# Altium PCB STB_ValidationBoard.PcbDoc (part 2 of 4) (continued)
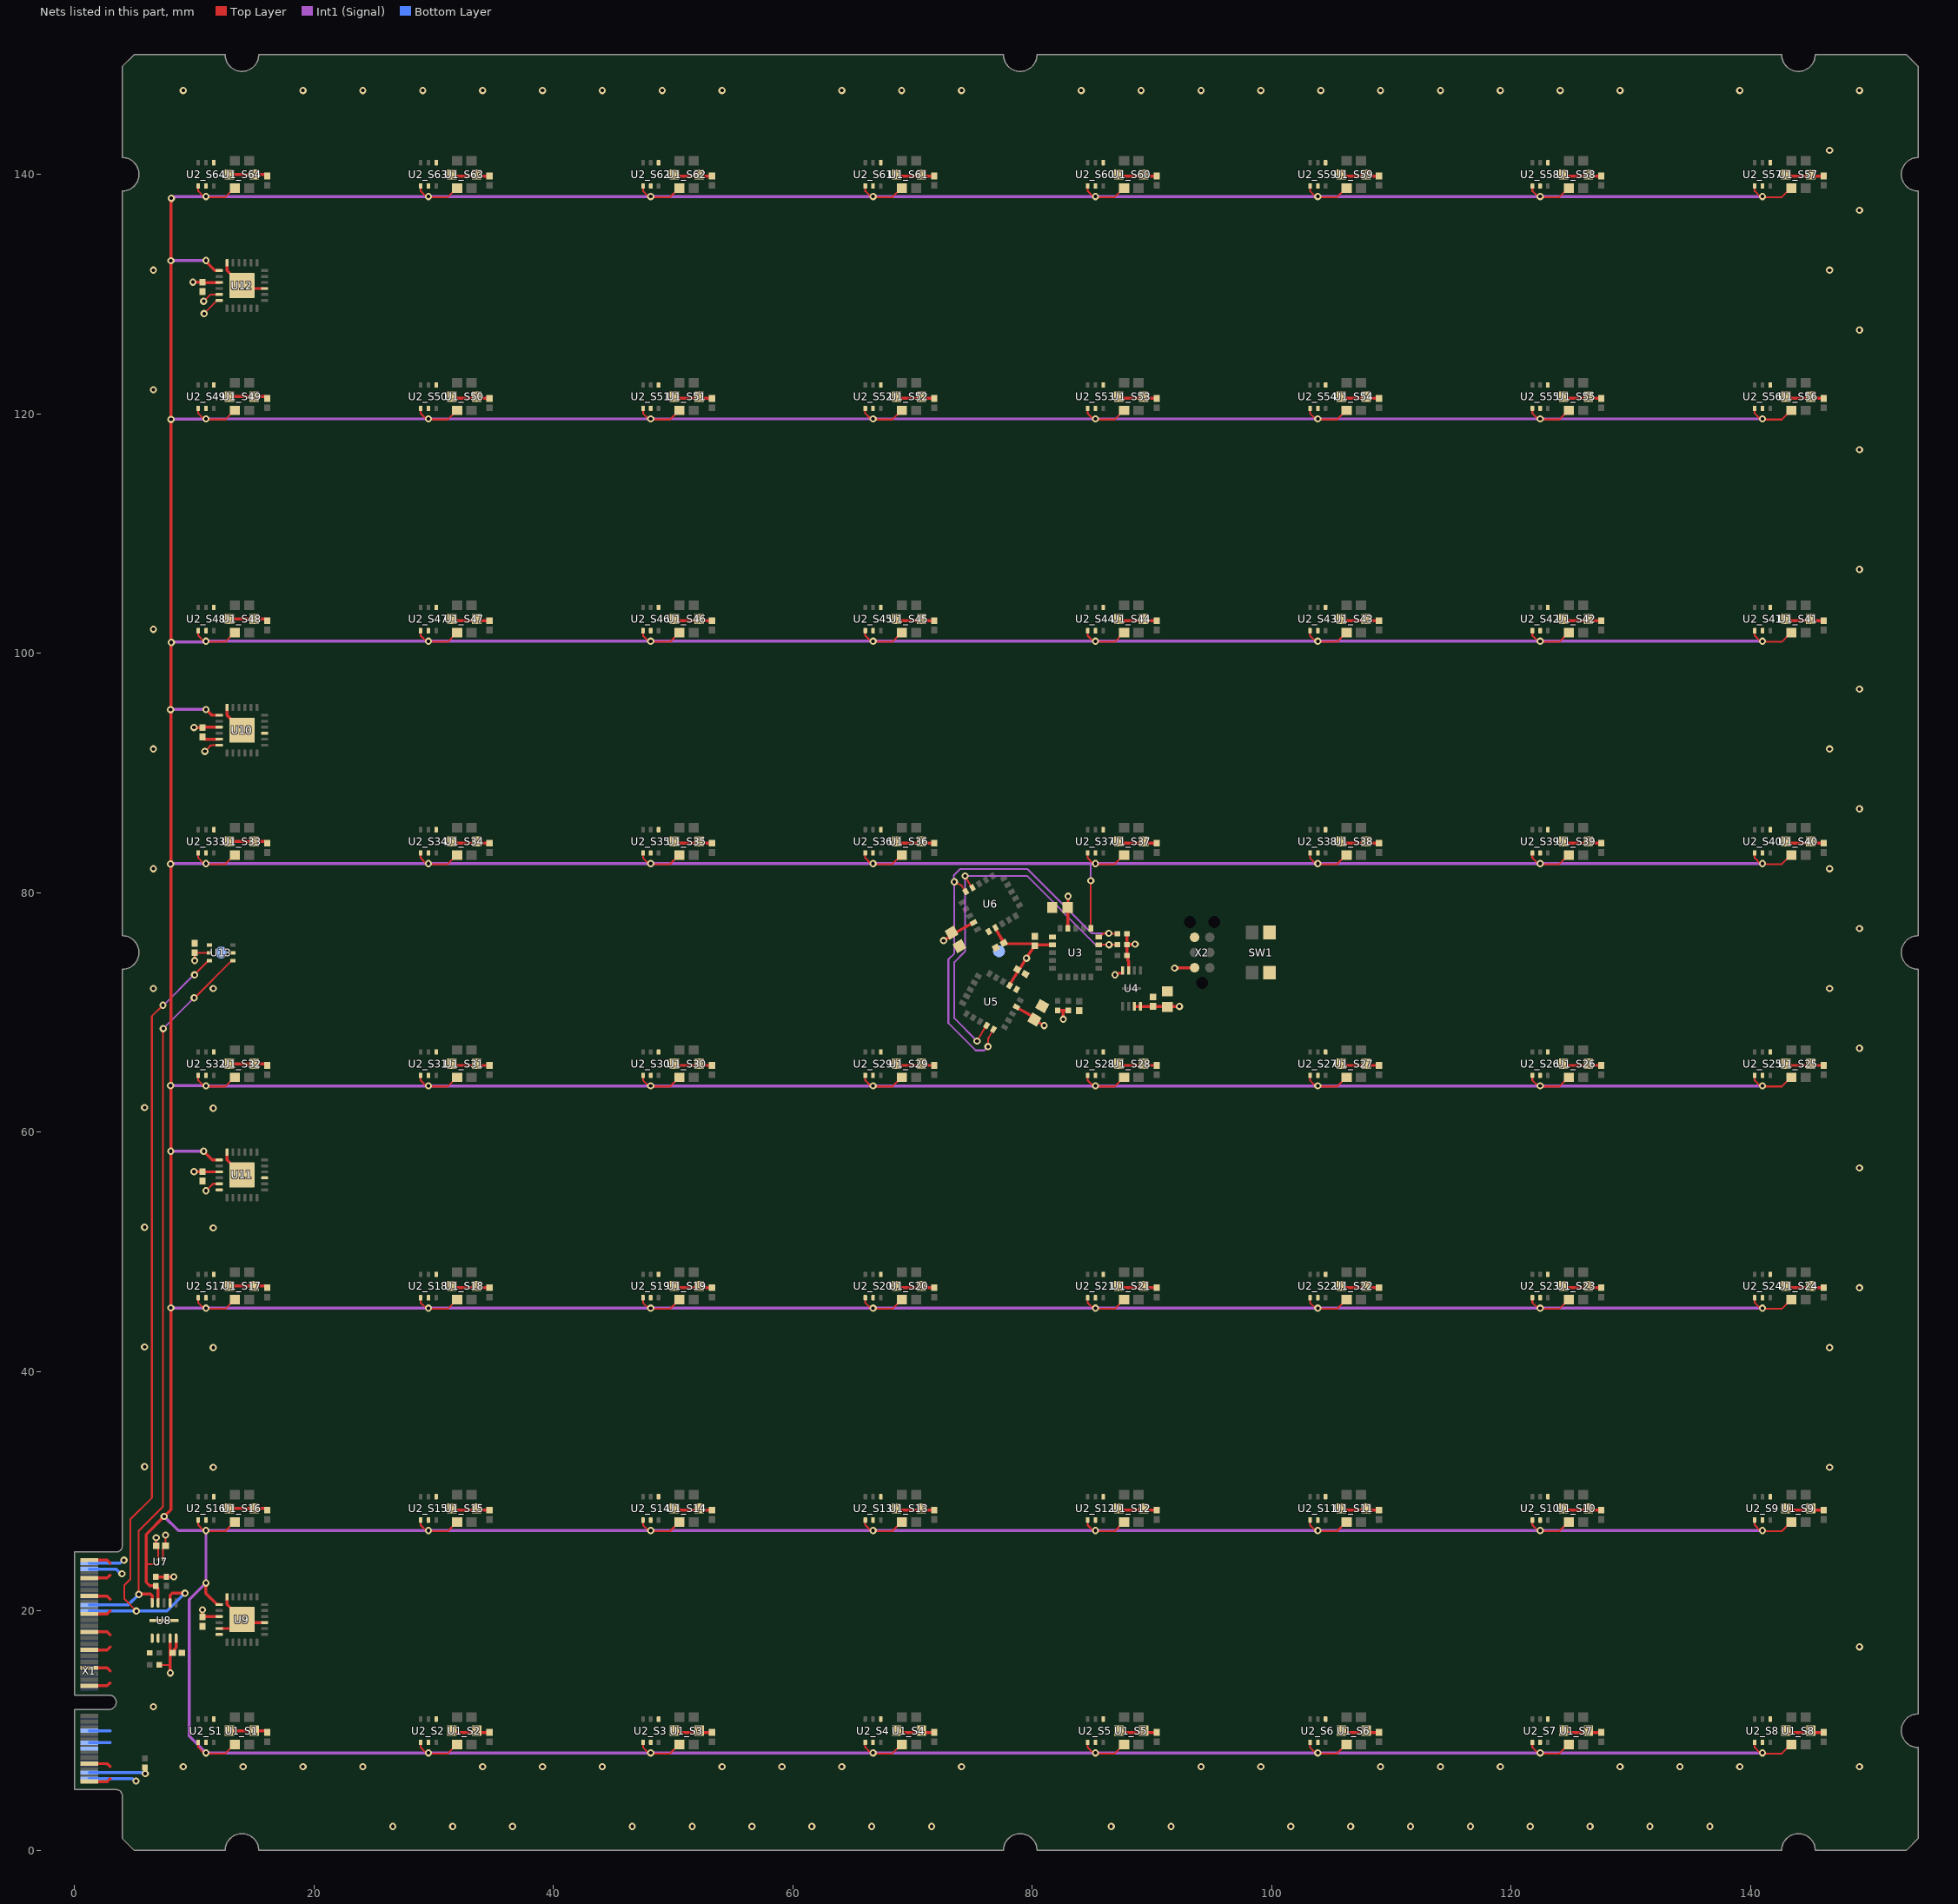
[diagram p4: the nets of this part, all layers, seen from the top]
## Part data (continued)
U4: library part CMP-0467-00001-2, "4 M-Bit [x1 / x2] CMOS Serial Flash, 86 MHz, -0.7 to 3.6 V, -40 to 85 degC, Body  2 x 3 x 0.6 mm", Clock Frequency-Max (fCLK)=86MHz, Frequency(MHz)=86, Manufacturer=Macronix, Max Operating Temperature=85°C, Max Supply Current=20uA, Min Operating Temperature=-40°C, Operating Current(mA)=12, Operating Mode=SYNCHRONOUS, Operationg Tempertaure Range="-40 to 85 degC", Package Body Material=Plastic, Package Code=HVSON, Package Shape=Rectangular, Package Style="SMALL OUTLINE, HEAT SINK/SLUG, VERY THIN PROFILEMeter", Power Supplies=3/3.3V, Programming Voltage=2.7V, Standby Current(uA)=10, Standby Current-Max=10uA, Supplier Part Number 1=1092-1154-1-ND, Supply Voltage-Max (Vsup)=3.6V, Supply Voltage-Nom (Vsup)=3V, Temperature Grade=INDUSTRIAL, Alternate Memory Width=1, Bus Width="x1, x2", Category=Flash, ComponentLink1Description="Manufacturer URL", ComponentLink1URL=http://www.macronix.com, ComponentLink2Description=Datasheet, ComponentLink2URL=http://www.macronix.com/QuickPlace/hq/PageLibrary4825740B00298A3B.nsf/h_Index/3F21BAC2E121E17848257639003A3146/$File/MX25L4006E,%203V,%204Mb,%20v1.3.pdf, ComponentLink3Description="Package Specification", ComponentLink3URL=http://www.macronix.com/QuickPlace/hq/PageLibrary4825740B00298A3B.nsf/h_Index/3F21BAC2E121E17848257639003A3146/$File/MX25L4006E,%203V,%204Mb,%20v1.3.pdf, ComponentLink4Description=https://datasheet.ciiva.com:443/pdfs/VipMasterIC/IC/MXMA/MXMA-S-A0007770252/MXMA-S-A0007770252-1.pdf?src-supplier=IHS+Markit, ComponentLink4URL=https://datasheet.ciiva.com:443/pdfs/VipMasterIC/IC/MXMA/MXMA-S-A0007770252/MXMA-S-A0007770252-1.pdf?src-supplier=IHS+Markit, ComponentLink5Description=http://www.macronix.com/Lists/Datasheet/Attachments/5087/MX25L4006E,%203V,%204Mb,%20v1.6.pdf?src-supplier=Digi-Key, ComponentLink5URL=http://www.macronix.com/Lists/Datasheet/Attachments/5087/MX25L4006E,%203V,%204Mb,%20v1.6.pdf?src-supplier=Digi-Key, ComponentLink6Description=http://ckassoc.com/oldsite/pdf/Macronix_Product_Line_Card_July_2017_General%20_070617.pdf?src-supplier=Digi-Key, ComponentLink6URL=http://ckassoc.com/oldsite/pdf/Macronix_Product_Line_Card_July_2017_General%20_070617.pdf?src-supplier=Digi-Key, ComponentLink7Description=http://www.macronix.com/Lists/Datasheet/Attachments/7604/MX25L4006E,%203V,%204Mb,%20v1.7.pdf?src-supplier=Digi-Key, ComponentLink7URL=http://www.macronix.com/Lists/Datasheet/Attachments/7604/MX25L4006E,%203V,%204Mb,%20v1.7.pdf?src-supplier=Digi-Key, ComponentLink8Description=http://www.macronix.com/QuickPlace/hq/PageLibrary4825740B00298A3B.nsf/h_Index/3F21BAC2E121E17848257639003A3146/$File/MX25L4006E,%203V,%204Mb,%20v1.4.pdf?src-supplier=Future+Electronics, ComponentLink8URL=http://www.macronix.com/QuickPlace/hq/PageLibrary4825740B00298A3B.nsf/h_Index/3F21BAC2E121E17848257639003A3146/$File/MX25L4006E,%203V,%204Mb,%20v1.4.pdf?src-supplier=Future+Electronics, Data Retention Time-Min=20, DatasheetVersion="Rev. 1.3", Density="4 Mb", Endurance=100000Cycles, Height - Seated (Max)=0.6mm, JESD-30 Code=R-PDSO-N8, JESD-609 Code=e3, Length=3mm, Manufacturer Part Number=MX25L4006EZUI-12G, Memory Type=FLASH, Memory Width=2, Moisture Sensitivity Level=3, Mounting Technology="Surface Mount", Number of Functions=1, Number of Pins=8, Number of Words=2097152, Number of Words Code=2M, Organization=2MX2, PackageDescription="8-Pin Small Outline No-lead Package, Body 2 x 3mm, Pitch 0.5 mm", PackageReference=USON-8, PackageVersion="Rev. 3", Parallel/Serial=SERIAL, PartNumber=MX25L4006EZUI-12G, Pricing 1="1=0.73000, 10=0.66700, 25=0.65880, 50=0.65480, 100=0.58540, 250=0.58048, 500=0.57188, 1000=0.55143, 5000=0.50226 (USD)", Qualification Status="Not Qualified", REACH SVHC="No SVHC", RoHS=Yes, RoHS Compliant=Yes, Sector Type="4 KB, 64 KB", Serial Bus Type=SPI, Stock 1=48100, Supplier 1=Digi-Key, Supply Voltage-Min (Vsup)=2.7V, Surface Mount=Yes, Technology=CMOS, Terminal Finish=Tin, Terminal Form="No Lead", Terminal Pitch=0.5mm, Terminal Position=DUAL, Type="NOR TYPE", Vin="-2.7 to 3.6 V", Width=2mm, Write Protection=HARDWARE/SOFTWARE
U5: library part CMP-22831-000003-1, "AS72653-BLGT LGA20 LF T&RDP", Case/Package=LGA, Manufacturer=ams, Supplier Part Number 1=AS72653-BLGTDKR-ND, Category="LED Drivers", ComponentLink1Description=https://ams.com/documents/20143/36005/AS7265x_DS000612_1-00.pdf?src-supplier=Digi-Key, ComponentLink1URL=https://ams.com/documents/20143/36005/AS7265x_DS000612_1-00.pdf?src-supplier=Digi-Key, Manufacturer Part Number=AS72653-BLGT, Mount="Surface Mount", Number of Pins=20, Packaging="Cut Tape", RoHS=No, Supplier 1=Digi-Key
U6: library part CMP-22831-000001-1, "AS72652-BLGT LGA20 LF T&RDP", Case/Package=LGA, Manufacturer=ams, Supplier Part Number 1=AS72652-BLGTDKR-ND, Category="LED Drivers", ComponentLink1Description=https://ams.com/documents/20143/36005/AS7265x_DS000612_1-00.pdf?src-supplier=Digi-Key, ComponentLink1URL=https://ams.com/documents/20143/36005/AS7265x_DS000612_1-00.pdf?src-supplier=Digi-Key, Manufacturer Part Number=AS72652-BLGT, Mount="Surface Mount", Number of Pins=20, Packaging="Cut Tape", RoHS=No, Supplier 1=Digi-Key
U7: library part CMP-02089-1, "Memory IC 64Kb (8K x 8) I²C 1 MHz 400 ns 4-WLCSP (0.77x0.77)", Clock Frequency="1 MHz", Manufacturer="ON Semiconductor", Mfr=onsemi, Operating Temperature="-40°C ~ 85°C (TA)", Package / Case="4-XFBGA, WLCSP", Supplier Device Package="4-WLCSP (0.77x0.77)", Supplier Part Number 1=488-N24S64BC4DYT3GDKR-ND, Voltage - Supply="1.7V ~ 5.5V", Access Time="400 ns", Base Product Number=N24S64, Category=EEPROM, Manufacturer Part Number=N24S64BC4DYT3G, Memory Format=EEPROM, Memory Interface=I²C, Memory Size="64Kb (8K x 8)", Memory Type=Non-Volatile, Mounting Type="Surface Mount", Product Status=Active, RoHS=Yes, Supplier 1=Digi-Key, Technology=-, Write Cycle Time - Word, Page=5ms
U8: library part CMP-02068-1, "Single I2C/SMBus Address Translator", Manufacturer="Analog Devices / Linear Technology", Max Operating Temperature=85°C, Max Supply Voltage=5.5V, Min Operating Temperature=-40°C, Min Supply Voltage=2.25V, Package Body Material=Plastic, Package Code=VSON, Package Shape=Square, Package Style="SMALL OUTLINE, VERY THIN PROFILEMeter", Supplier Part Number 1=505-LTC4316IDD#TRPBFDKR-ND, Supply Voltage-Nom=3.3V, Temperature Grade=INDUSTRIAL, Category="Interface ICs", ComponentLink1Description=https://datasheet.ciiva.com:443/pdfs/VipMasterIC/IC/LITC/LITC-S-A0001226702/LITC-S-A0001226702-1.pdf?src-supplier=IHS+Markit, ComponentLink1URL=https://datasheet.ciiva.com:443/pdfs/VipMasterIC/IC/LITC/LITC-S-A0001226702/LITC-S-A0001226702-1.pdf?src-supplier=IHS+Markit, ComponentLink2Description=http://www.linear.com/docs/46527?src-supplier=Digi-Key, ComponentLink2URL=http://www.linear.com/docs/46527?src-supplier=Digi-Key, Height - Seated (Max)=0.8mm, Interface IC Type="INTERFACE CIRCUIT", JESD-30 Code=S-PDSO-N10, Length=3mm, Manufacturer Part Number=LTC4316IDD#TRPBF, Number of Functions=1, Number of Pins=10, Pricing 1="1=5.70000, 10=5.12100, 25=4.84160, 100=4.19600, 250=3.98084, 500=3.57198, 1000=3.04500 (USD)", REACH SVHC=Yes, RoHS=Yes, RoHS Compliant=Yes, Stock 1=531, Supplier 1=Digi-Key, Surface Mount=Yes, Technology=CMOS, Terminal Form="No Lead", Terminal Pitch=0.5mm, Terminal Position=DUAL, Width=3mm
U9 U10 U11 U12: library part CMP-0314-00043-2, Manufacturer="NXP Semiconductors", Max Operating Temperature=85°C, Max Supply Voltage=5.5V, Min Operating Temperature=-40°C, Min Supply Voltage=1.65V, Package Body Material=Plastic, Package Code=VQCCN, Package Equivalence Code=LCC24,.16SQ,20, Package Shape=Square, Package Style="CHIP CARRIER, VERY THIN PROFILEMeter", Power Supplies=1.8/5V, Supplier Part Number 1=568-9942-1-ND, Supply Voltage-Nom=1.8V, Temperature Grade=INDUSTRIAL, Category="Interface ICs", ComponentLink1Description=https://datasheet.ciiva.com:443/pdfs/VipMasterIC/IC/PHGL/PHGL-S-A0001284358/PHGL-S-A0001284358-1.pdf?src-supplier=IHS+Markit, ComponentLink1URL=https://datasheet.ciiva.com:443/pdfs/VipMasterIC/IC/PHGL/PHGL-S-A0001284358/PHGL-S-A0001284358-1.pdf?src-supplier=IHS+Markit, ComponentLink2Description=https://datasheet.ciiva.com/12072/pca9555a-211666-12072629.pdf?src-supplier=Mouser, ComponentLink2URL=https://datasheet.ciiva.com/12072/pca9555a-211666-12072629.pdf?src-supplier=Mouser, ComponentLink3Description=https://datasheet.ciiva.com/6633/pca9555a-6633081.pdf?src-supplier=Digi-Key, ComponentLink3URL=https://datasheet.ciiva.com/6633/pca9555a-6633081.pdf?src-supplier=Digi-Key, ComponentLink4Description=https://datasheet.ciiva.com/6633/design-con-2003-tecforum-i2c-bus-overview-6633083.pdf?src-supplier=Digi-Key, ComponentLink4URL=https://datasheet.ciiva.com/6633/design-con-2003-tecforum-i2c-bus-overview-6633083.pdf?src-supplier=Digi-Key, ComponentLink5Description=https://datasheet.ciiva.com/6633/design-con-2003-tecforum-i2c-bus-overview-6633082.pdf?src-supplier=Digi-Key, ComponentLink5URL=https://datasheet.ciiva.com/6633/design-con-2003-tecforum-i2c-bus-overview-6633082.pdf?src-supplier=Digi-Key, ComponentLink6Description=https://datasheet.ciiva.com/46433/1845292-46433837.pdf?src-supplier=Element14, ComponentLink6URL=https://datasheet.ciiva.com/46433/1845292-46433837.pdf?src-supplier=Element14, Height - Seated (Max)=0.8mm, Length=4mm, Manufacturer Part Number=PCA9555AHF,128, Moisture Sensitivity Level=1, Number of Bits=16, Number of I/O Lines=16, Number of Pins=24, Number of Ports=2, Pricing 1="1=2.47000, 10=2.22300, 25=2.09680, 100=1.78650, 250=1.67748, 500=1.46780, 1000=1.32601 (USD)", Qualification Status="Not Qualified", REACH SVHC=Yes, RoHS=Yes, RoHS Compliant=Yes, Stock 1=565, Supplier 1=Digi-Key, Surface Mount=Yes, Technology=CMOS, Terminal Form="No Lead", Terminal Pitch=0.5mm, Terminal Position=QUAD, Width=4mm
X1: library part CMP-01224-1, "Mates with 2199119-4 - No BOM", Card Thickness=0.8mm, Card Type="Non Specified - Dual Edge", Gender=Male, Mates with=2199119-4, Number of Positions=67, Pitch=0.5mm
X2: library part CMP-00723-1, "CABLE, TAG CONNECT, WITH OUT LEG, FOR IC", Package Quantity=1, Lead Free="Lead Free", Number of Pins=6, Packaging=Bulk, REACH SVHC="No SVHC"

## Via types
v1: diameter 0.604, hole 0.3, Top Layer to Bottom Layer, tented both sides, 302 vias

## Nets (pads, with @x,y where several pads share a name; then routed paths per layer and width w, separated by ;. In a path a pad name is that pad's centre, name@x,y a point inside that pad or via, vN(x,y) a via of type N, cw(c..) or ccw(c..) an arc to the next point about the centre after c; other vN are vias at no path point)
3V3: C2.2 C3.2 C4.2 C5.2 C6.2 C7.2 C8.2 C9.2 C10.2 C11.2 C12.2 C13.2 C14.2 C15.2 C16.2 R1.2 R2.2 R3.2 R4.2 R5.2 R7.2 R8.2 R9.1 R11.2 U3.14 U3.17 U4.3 U4.7 U4.8 U5.14 U5.17 U6.14 U6.17 U7.A1 U8.4 U8.5 U9.21 U10.21 U10.24 U11.21 U11.23 U12.21 U12.23 U12.24 U13.5 X1.2 X1.4 X1.72 X1.74 X2.2 | length 68.7
  Top Layer w0.152: v1(6.839,26.127) 6.839,25.46 7,25.299 U7.A1@7,24.3 ; R9.1@7.1,15.5 7.995,15.5 8.013,15.518 ; C16.2@10.048,74.986 C16.2@10.057,74.978 ; v1(10.057,74.328) C16.2@10.057,74.978 ; v1(10.8,129.4) 11.364,129.964 U12.23@12.1,129.964 ; v1(10.842,128.364) 10.842,128.386 11.92,129.464 U12.24@12.1,129.464 ; v1(10.9,91.8) 11.421,92.321 U10.24@12.1,92.321 ; v1(11,55.1) 11.578,55.678 U11.23@12.1,55.678 ; U13.5@11.289,74.978 C16.2@10.057,74.978
  Top Layer w0.25: R11.2@5.9,6.925 5.912,6.913 5.912,6.419 v1(5.924,6.408) ; R7.2@6.8,22.85 v1(8.306,22.85) ; U8.4@8,17.725 8,16.225 8.013,16.212 8.013,15.518 v1(8.013,14.824) ; C11.2@8.28,16.415 8.365,16.5 8.365,16.815 8.5,16.95 U8.5@8.5,17.725 ; v1(9.9,131) 9.905,130.995 10.695,130.995 C13.2@10.7,130.99 10.835,130.964 U12.21@12.1,130.964 ; v1(10,56.7) 10.005,56.695 10.695,56.695 C14.2@10.7,56.69 10.835,56.678 U11.21@12.1,56.678 ; v1(10,93.8) 10.005,93.795 10.695,93.795 C15.2@10.7,93.79 10.835,93.821 U10.21@12.1,93.821 ; v1(10.7,20.1) C12.2@10.7,19.49 10.835,19.536 U9.21@12.1,19.536 ; v1(72.6,76) 73.112,76.296 C8.2@73.275,76.663 ; C8.2@73.289,76.455 73.368,76.5 73.651,76.661 74.974,77.425 U6.14@75.109,77.492 ; U6.17@76.937,77.075 76.986,76.93 77.573,75.913 C9.2@77.638,75.795 77.839,75.756 80.086,75.729 C3.2@80.221,75.574 ; U5.17@78.125,72.242 78.182,72.382 78.785,73.426 C7.2@78.838,73.521 ; U5.14@78.679,70.45 78.807,70.373 79.988,69.692 C6.2@80.083,69.637 ; C7.2@78.762,73.595 78.964,73.634 v1(79.525,74.527) 80.086,75.419 C3.2@80.221,75.574 ; C6.2@80.196,69.401 80.461,69.211 v1(81,68.9) ; U3.17@81.696,75.639 81.546,75.632 80.356,75.632 C3.2@80.221,75.574 ; R3.2@82.121,70.164 82.596,70.164 ; v1(82.596,69.431) 82.596,70.164 ; U3.14@82.971,77.014 C2.2@82.971,78.764 83,78.794 v1(83,79.7) ; R2.2@83.021,70.164 82.596,70.164 ; R1.2@87.921,74.764 87.977,74.708 87.977,74.34 88.06,74.257 88.06,73.745 88.05,73.735 U4.3@88.05,73.51 ; 87.921,75 R4.2@87.921,75.664 ; R5.2@87.921,76.564 R4.2@87.921,75.664 ; U4.7@88.55,70.5 U4.8@89.05,70.5 v1(92.3,70.5) ; v1(88.6,75.7) 88.582,75.682 87.938,75.682 R4.2@87.921,75.664 ; v1(91.9,73.7) 91.915,73.715 93.55,73.715 X2.2@93.565,73.73
  Bottom Layer w0.25: X1.2@1.25,6 4.856,6 5.055,5.801 v1(5.151,5.801) ; X1.72@1.25,23.5 1.254,23.496 3.499,23.496 3.884,23.111 v1(3.98,23.111) ; X1.74@1.25,24 1.256,24.006 3.812,24.006 4.05,24.243 v1(4.146,24.243) ; X1.4@1.264,6.514 5.721,6.514 5.828,6.408 v1(5.924,6.408)
GND: C1_S1.1 C1_S2.1 C1_S3.1 C1_S4.1 C1_S5.1 C1_S6.1 C1_S7.1 C1_S8.1 C1_S9.1 C1_S10.1 C1_S11.1 C1_S12.1 C1_S13.1 C1_S14.1 C1_S15.1 C1_S16.1 C1_S17.1 C1_S18.1 C1_S19.1 C1_S20.1 C1_S21.1 C1_S22.1 C1_S23.1 C1_S24.1 C1_S25.1 C1_S26.1 C1_S27.1 C1_S28.1 C1_S29.1 C1_S30.1 C1_S31.1 C1_S32.1 C1_S33.1 C1_S34.1 C1_S35.1 C1_S36.1 C1_S37.1 C1_S38.1 C1_S39.1 C1_S40.1 C1_S41.1 C1_S42.1 C1_S43.1 C1_S44.1 C1_S45.1 C1_S46.1 C1_S47.1 C1_S48.1 C1_S49.1 C1_S50.1 C1_S51.1 C1_S52.1 C1_S53.1 C1_S54.1 C1_S55.1 C1_S56.1 C1_S57.1 C1_S58.1 C1_S59.1 C1_S60.1 C1_S61.1 C1_S62.1 C1_S63.1 C1_S64.1 C2.1 C3.1 C4.1 C5.1 C6.1 C7.1 C8.1 C9.1 C10.1 C11.1 C12.1 C13.1 C14.1 C15.1 C16.1 C17.1 R10.1 SW1.2 SW1.4 U1_S1.1 U1_S1.4 U1_S2.1 U1_S2.4 U1_S3.1 U1_S3.4 U1_S4.1 U1_S4.4 U1_S5.1 U1_S5.4 U1_S6.1 U1_S6.4 U1_S7.1 U1_S7.4 U1_S8.1 U1_S8.4 U1_S9.1 U1_S9.4 U1_S10.1 U1_S10.4 U1_S11.1 U1_S11.4 U1_S12.1 U1_S12.4 U1_S13.1 U1_S13.4 U1_S14.1 U1_S14.4 U1_S15.1 U1_S15.4 U1_S16.1 U1_S16.4 U1_S17.1 U1_S17.4 U1_S18.1 U1_S18.4 U1_S19.1 U1_S19.4 U1_S20.1 U1_S20.4 U1_S21.1 U1_S21.4 U1_S22.1 U1_S22.4 U1_S23.1 U1_S23.4 U1_S24.1 U1_S24.4 U1_S25.1 U1_S25.4 U1_S26.1 U1_S26.4 U1_S27.1 U1_S27.4 U1_S28.1 U1_S28.4 U1_S29.1 U1_S29.4 U1_S30.1 U1_S30.4 U1_S31.1 U1_S31.4 U1_S32.1 U1_S32.4 U1_S33.1 U1_S33.4 U1_S34.1 U1_S34.4 U1_S35.1 U1_S35.4 U1_S36.1 U1_S36.4 U1_S37.1 U1_S37.4 U1_S38.1 U1_S38.4 U1_S39.1 U1_S39.4 U1_S40.1 U1_S40.4 U1_S41.1 U1_S41.4 U1_S42.1 U1_S42.4 U1_S43.1 U1_S43.4 U1_S44.1 U1_S44.4 U1_S45.1 U1_S45.4 U1_S46.1 U1_S46.4 U1_S47.1 U1_S47.4 U1_S48.1 U1_S48.4 U1_S49.1 U1_S49.4 U1_S50.1 U1_S50.4 U1_S51.1 U1_S51.4 U1_S52.1 U1_S52.4 U1_S53.1 U1_S53.4 U1_S54.1 U1_S54.4 U1_S55.1 U1_S55.4 U1_S56.1 U1_S56.4 U1_S57.1 U1_S57.4 U1_S58.1 U1_S58.4 U1_S59.1 U1_S59.4 U1_S60.1 U1_S60.4 U1_S61.1 U1_S61.4 U1_S62.1 U1_S62.4 U1_S63.1 U1_S63.4 U1_S64.1 U1_S64.4 U2_S1.2 U2_S1.4 U2_S2.2 U2_S2.4 U2_S3.2 U2_S3.4 U2_S4.2 U2_S4.4 U2_S5.2 U2_S5.4 U2_S6.2 U2_S6.4 U2_S7.2 U2_S7.4 U2_S8.2 U2_S8.4 U2_S9.2 U2_S9.4 U2_S10.2 U2_S10.4 U2_S11.2 U2_S11.4 U2_S12.2 U2_S12.4 U2_S13.2 U2_S13.4 U2_S14.2 U2_S14.4 U2_S15.2 U2_S15.4 U2_S16.2 U2_S16.4 U2_S17.2 U2_S17.4 U2_S18.2 U2_S18.4 U2_S19.2 U2_S19.4 U2_S20.2 U2_S20.4 U2_S21.2 U2_S21.4 U2_S22.2 U2_S22.4 U2_S23.2 U2_S23.4 U2_S24.2 U2_S24.4 U2_S25.2 U2_S25.4 U2_S26.2 U2_S26.4 U2_S27.2 U2_S27.4 U2_S28.2 U2_S28.4 U2_S29.2 U2_S29.4 U2_S30.2 U2_S30.4 U2_S31.2 U2_S31.4 U2_S32.2 U2_S32.4 U2_S33.2 U2_S33.4 U2_S34.2 U2_S34.4 U2_S35.2 U2_S35.4 U2_S36.2 U2_S36.4 U2_S37.2 U2_S37.4 U2_S38.2 U2_S38.4 U2_S39.2 U2_S39.4 U2_S40.2 U2_S40.4 U2_S41.2 U2_S41.4 U2_S42.2 U2_S42.4 U2_S43.2 U2_S43.4 U2_S44.2 U2_S44.4 U2_S45.2 U2_S45.4 U2_S46.2 U2_S46.4 U2_S47.2 U2_S47.4 U2_S48.2 U2_S48.4 U2_S49.2 U2_S49.4 U2_S50.2 U2_S50.4 U2_S51.2 U2_S51.4 U2_S52.2 U2_S52.4 U2_S53.2 U2_S53.4 U2_S54.2 U2_S54.4 U2_S55.2 U2_S55.4 U2_S56.2 U2_S56.4 U2_S57.2 U2_S57.4 U2_S58.2 U2_S58.4 U2_S59.2 U2_S59.4 U2_S60.2 U2_S60.4 U2_S61.2 U2_S61.4 U2_S62.2 U2_S62.4 U2_S63.2 U2_S63.4 U2_S64.2 U2_S64.4 U3.16 U4.4 U5.16 U6.16 U7.A2 U8.1 U8.2 U8.11 U9.9 U9.18 U9.23 U9.24 U9.25 U10.9 U10.18 U10.23 U10.25 U11.9 U11.18 U11.24 U11.25 U12.9 U12.18 U12.25 U13.2 U13.4 X1.1 X1.7 X1.14 X1.18 X1.33 X1.39 X1.45 X1.51 X1.57 X1.63 X1.69 X1.75 X2.6 | length 234.3
  Top Layer w0.152: U7.A2@7.4,24.3 7.4,25.248 7.438,25.287 C10.1@7.556,25.287 ; C10.1@7.626,25.454 v1(7.626,26.342)
  Top Layer w0.25: X1.1@1.25,5.75 2.75,5.75 3,6 ; X1.7@1.25,7.25 2.75,7.25 3,7 ; X1.33@1.25,13.75 2.75,13.75 3,14 ; X1.39@1.25,15.25 2.75,15.25 3,15 ; X1.45@1.25,16.75 2.75,16.75 3,17 ; X1.51@1.25,18.25 2.75,18.25 3,18 ; X1.57@1.25,19.75 2.75,19.75 3,20 ; X1.63@1.25,21.25 2.75,21.25 3,21 ; X1.69@1.25,22.75 2.75,22.75 3,23 ; X1.75@1.25,24.25 2.75,24.25 3,24 ; C15.1@10.725,92.989 10.725,92.965 10.869,92.821 U10.23@12.1,92.821 ; U9.23@12.1,18.536 14.051,18.536 U9.25@14.114,18.473 ; U9.18@12.75,21.186 12.75,20.536 U9.25@14,19.286 ; U11.18@12.75,58.328 12.75,57.678 U11.25@14,56.428 ; U10.18@12.75,95.471 12.75,94.821 U10.25@14,93.571 ; U12.18@12.75,132.614 12.75,131.964 13.402,131.312 U12.25@13.46,131.312 ; U1_S1.4@12.965,10 U1_S1.1@15.035,10 15.975,10 16.11,9.865 C1_S1.1@16.11,9.856 ; U1_S16.4@12.965,28.571 U1_S16.1@15.035,28.571 15.975,28.571 16.11,28.436 C1_S16.1@16.11,28.428 ; U1_S17.4@12.965,47.143 U1_S17.1@15.035,47.143 C1_S17.1@15.975,47.143 ; U1_S32.4@12.965,65.714 U1_S32.1@15.035,65.714 C1_S32.1@15.975,65.714 ; U1_S33.4@12.965,84.286 U1_S33.1@15.035,84.286 C1_S33.1@15.975,84.286 ; U1_S48.4@12.965,102.857 U1_S48.1@15.035,102.857 C1_S48.1@15.975,102.857 ; U1_S49.4@12.965,121.428 U1_S49.1@15.035,121.428 C1_S49.1@15.975,121.428 ; U1_S64.4@12.965,140 U1_S64.1@15.035,140 C1_S64.1@15.975,140 ; U9.25@13.727,19.053 13.744,19.036 U9.9@15.9,19.036 ; U12.25@14,130.714 14.25,130.464 U12.9@15.9,130.464 ; U1_S2.4@31.536,10 31.68,9.856 C1_S2.1@34.681,9.856 ; U1_S15.4@31.68,28.428 C1_S15.1@34.681,28.428 ; U1_S18.4@31.68,46.999 C1_S18.1@34.681,46.999 ; U1_S31.4@31.68,65.571 C1_S31.1@34.681,65.571 ; U1_S34.4@31.68,84.142 C1_S34.1@34.681,84.142 ; U1_S47.4@31.68,102.713 C1_S47.1@34.681,102.713 ; U1_S50.4@31.68,121.285 C1_S50.1@34.681,121.285 ; U1_S63.4@31.68,139.856 C1_S63.1@34.681,139.856 ; U1_S3.4@50.251,9.856 C1_S3.1@53.252,9.856 ; U1_S14.4@50.251,28.428 C1_S14.1@53.252,28.428 ; U1_S19.4@50.251,46.999 C1_S19.1@53.252,46.999 ; U1_S30.4@50.251,65.571 C1_S30.1@53.252,65.571 ; U1_S35.4@50.251,84.142 C1_S35.1@53.252,84.142 ; U1_S46.4@50.251,102.713 C1_S46.1@53.252,102.713 ; U1_S51.4@50.251,121.285 C1_S51.1@53.252,121.285 ; U1_S62.4@50.251,139.856 C1_S62.1@53.252,139.856 ; U1_S4.4@68.823,9.856 C1_S4.1@71.824,9.856 ; U1_S13.4@68.823,28.428 C1_S13.1@71.824,28.428 ; U1_S20.4@68.823,46.999 C1_S20.1@71.824,46.999 ; U1_S29.4@68.823,65.571 C1_S29.1@71.824,65.571 ; U1_S36.4@68.823,84.142 C1_S36.1@71.824,84.142 ; U1_S45.4@68.823,102.713 C1_S45.1@71.824,102.713 ; U1_S52.4@68.823,121.285 C1_S52.1@71.824,121.285 ; U1_S61.4@68.823,139.856 C1_S61.1@71.824,139.856 ; v1(86.916,73.139) 87.012,73.139 87.138,73.265 87.55,73.265 U4.4@87.55,73.5 ; U1_S5.4@87.394,9.856 C1_S5.1@90.395,9.856 ; U1_S12.4@87.394,28.428 C1_S12.1@90.395,28.428 ; U1_S21.4@87.394,46.999 C1_S21.1@90.395,46.999 ; U1_S28.4@87.394,65.571 C1_S28.1@90.395,65.571 ; U1_S37.4@87.394,84.142 C1_S37.1@90.395,84.142 ; U1_S44.4@87.394,102.713 C1_S44.1@90.395,102.713 ; U1_S53.4@87.394,121.285 C1_S53.1@90.395,121.285 ; U1_S60.4@87.394,139.856 C1_S60.1@90.395,139.856 ; U1_S6.4@105.966,9.856 C1_S6.1@108.967,9.856 ; U1_S11.4@105.966,28.428 C1_S11.1@108.967,28.428 ; U1_S22.4@105.966,46.999 C1_S22.1@108.967,46.999 ; U1_S27.4@105.966,65.571 C1_S27.1@108.967,65.571 ; U1_S38.4@105.966,84.142 C1_S38.1@108.967,84.142 ; U1_S43.4@105.966,102.713 C1_S43.1@108.967,102.713 ; U1_S54.4@105.966,121.285 C1_S54.1@108.967,121.285 ; U1_S59.4@105.966,139.856 C1_S59.1@108.967,139.856 ; U1_S7.4@124.537,9.856 C1_S7.1@127.538,9.856 ; U1_S10.4@124.537,28.428 C1_S10.1@127.538,28.428 ; U1_S23.4@124.537,46.999 C1_S23.1@127.538,46.999 ; U1_S26.4@124.537,65.571 C1_S26.1@127.538,65.571 ; U1_S39.4@124.537,84.142 C1_S39.1@127.538,84.142 ; U1_S42.4@124.537,102.713 C1_S42.1@127.538,102.713 ; U1_S55.4@124.537,121.285 C1_S55.1@127.538,121.285 ; U1_S58.4@124.537,139.856 C1_S58.1@127.538,139.856 ; U1_S8.4@143.108,9.856 C1_S8.1@146.109,9.856 ; U1_S9.4@143.108,28.428 C1_S9.1@146.109,28.428 ; U1_S24.4@143.108,46.999 C1_S24.1@146.109,46.999 ; U1_S25.4@143.108,65.571 C1_S25.1@146.109,65.571 ; U1_S40.4@143.108,84.142 C1_S40.1@146.109,84.142 ; U1_S41.4@143.108,102.713 C1_S41.1@146.109,102.713 ; U1_S56.4@143.108,121.285 C1_S56.1@146.109,121.285 ; U1_S57.4@143.108,139.856 C1_S57.1@146.109,139.856
  Bottom Layer w0.25: X1.14@1.25,9 3,9 ; X1.18@1.25,10 3,10
  other v1: 26.6,2 31.6,2 36.6,2 46.6,2 51.6,2 56.6,2 61.6,2 66.6,2 71.6,2 86.6,2 91.6,2 101.6,2 106.6,2 111.6,2 116.6,2 121.6,2 126.6,2 131.6,2 136.6,2 9.1,7 14.1,7 19.1,7 24.1,7 34.1,7 39.1,7 44.1,7 54.1,7 59.1,7 64.1,7 74.1,7 94.1,7 99.1,7 109.1,7 114.1,7 119.1,7 129.1,7 134.1,7 139.1,7 149.1,7 6.6,12 149.1,17 11.6,32 146.6,32 5.869,32.053 11.6,42 146.6,42 5.869,42.053 149.1,47 11.6,52 5.869,52.053 149.1,57 11.6,62 5.869,62.053 149.1,67 6.6,72 11.6,72 146.6,72 149.1,77 6.6,82 146.6,82 149.1,87 6.6,92 146.6,92 149.1,97 6.6,102 149.1,107 149.1,117 6.6,122 149.1,127 6.6,132 146.6,132 149.1,137 146.6,142 9.1,147 19.1,147 24.1,147 29.1,147 34.1,147 39.1,147 44.1,147 49.1,147 54.1,147 64.1,147 69.1,147 74.1,147 84.1,147 89.1,147 94.1,147 99.1,147 104.1,147 109.1,147 114.1,147 119.1,147 124.1,147 129.1,147 139.1,147 149.1,147
GPIO2: X1.12
HeatSpreader: TP1.1 TP2.1
I2C_HOST_SCL: U8.10 U13.1 X1.60 | length 62.7
  Top Layer w0.152: v1(5.387,21.387) 5.378,21.395 5.378,26.7 7.406,28.727 7.406,68.622 v1(7.427,68.643) ; v1(10.002,71.218) 10.054,71.218 13.164,74.328 U13.1@13.239,74.328
  Top Layer w0.25: v1@5.429,21.429 6.354,21.429 6.5,21.282 U8.10@6.5,20.675
  Int1 (Signal) w0.152: v1@7.279,68.484 7.279,68.494 v1(7.427,68.643) v1(10.002,71.218)
  Bottom Layer w0.25: X1.60@1.25,20.5 4.5,20.5 v1(5.387,21.387)
I2C_HOST_SDA: U8.7 U13.6 X1.58 | length 68.4
  Top Layer w0.152: v1(5.178,20) 4.169,21.01 4.169,22.14 4.668,22.639 4.668,27.641 6.478,29.451 6.478,31.802 6.478,69.681 v1(7.399,70.602) ; v1(10.04,73.127) 10.04,73.154 11.214,74.328 U13.6@11.289,74.328
  Top Layer w0.25: U8.7@8,20.675 8,21.304 8.182,21.487 v1(9.24,21.487)
  Int1 (Signal) w0.152: v1(7.399,70.602) 7.457,70.602 9.982,73.127 v1(10.04,73.127)
  Bottom Layer w0.25: X1.58@1.25,20 v1(5.178,20) 7.753,20 v1(9.24,21.487)
I2C_SPEC_SCL: R4.1 U3.9 U5.9 U6.9 | length 33.8
  Top Layer w0.152: v1(74.4,81.4) 74.883,80.564 U6.9@75.012,80.409 ; v1(75.4,67.6) 76.067,68.755 U5.9@76.2,68.908 ; U3.9@85.546,75.639 85.558,75.652 v1(86.421,75.652) 87.108,75.652 R4.1@87.121,75.664
  Top Layer w0.25: U5.9@76.1,68.793 U5.9@76.2,68.908
  Int1 (Signal) w0.152: v1(75.4,67.6) 73.5,69.5 73.5,74.2 74.4,75.1 v1(74.4,81.4) 79.558,81.4 85.306,75.652 v1(86.421,75.652)
I2C_SPEC_SDA: R5.1 U3.10 U5.10 U6.10 | length 37
  Top Layer w0.152: v1(73.5,80.9) 74.059,80.62 cw(c73.991,80.484) 74.123,80.561 ; 74.123,80.56 74.311,80.234 U6.10@74.449,80.084 ; v1(76.313,67.14) 76.321,67.768 cw(c76.473,67.766) 76.341,67.842 76.668,68.408 U5.10@76.763,68.583 U5.10@76.763,68.533 ; U3.10@85.546,76.289 85.67,76.413 85.773,76.413 85.952,76.592 v1@86.4,76.592 ; v1@86.402,76.564 R5.1@87.121,76.564
  Int1 (Signal) w0.152: v1(76.313,67.14) 75.998,66.826 75.274,66.826 73,69.1 73,74.427 73.5,74.927 v1(73.5,80.9) 73.463,80.937 73.463,81.463 73.98,81.98 79.593,81.98 84.973,76.6 v1(86.4,76.6)
I2C_SYS_SCL: R7.1 U1_S1.5 U1_S2.5 U1_S3.5 U1_S4.5 U1_S5.5 U1_S6.5 U1_S7.5 U1_S8.5 U1_S9.5 U1_S10.5 U1_S11.5 U1_S12.5 U1_S13.5 U1_S14.5 U1_S15.5 U1_S16.5 U1_S17.5 U1_S18.5 U1_S19.5 U1_S20.5 U1_S21.5 U1_S22.5 U1_S23.5 U1_S24.5 U1_S25.5 U1_S26.5 U1_S27.5 U1_S28.5 U1_S29.5 U1_S30.5 U1_S31.5 U1_S32.5 U1_S33.5 U1_S34.5 U1_S35.5 U1_S36.5 U1_S37.5 U1_S38.5 U1_S39.5 U1_S40.5 U1_S41.5 U1_S42.5 U1_S43.5 U1_S44.5 U1_S45.5 U1_S46.5 U1_S47.5 U1_S48.5 U1_S49.5 U1_S50.5 U1_S51.5 U1_S52.5 U1_S53.5 U1_S54.5 U1_S55.5 U1_S56.5 U1_S57.5 U1_S58.5 U1_S59.5 U1_S60.5 U1_S61.5 U1_S62.5 U1_S63.5 U1_S64.5 U2_S1.1 U2_S2.1 U2_S3.1 U2_S4.1 U2_S5.1 U2_S6.1 U2_S7.1 U2_S8.1 U2_S9.1 U2_S10.1 U2_S11.1 U2_S12.1 U2_S13.1 U2_S14.1 U2_S15.1 U2_S16.1 U2_S17.1 U2_S18.1 U2_S19.1 U2_S20.1 U2_S21.1 U2_S22.1 U2_S23.1 U2_S24.1 U2_S25.1 U2_S26.1 U2_S27.1 U2_S28.1 U2_S29.1 U2_S30.1 U2_S31.1 U2_S32.1 U2_S33.1 U2_S34.1 U2_S35.1 U2_S36.1 U2_S37.1 U2_S38.1 U2_S39.1 U2_S40.1 U2_S41.1 U2_S42.1 U2_S43.1 U2_S44.1 U2_S45.1 U2_S46.1 U2_S47.1 U2_S48.1 U2_S49.1 U2_S50.1 U2_S51.1 U2_S52.1 U2_S53.1 U2_S54.1 U2_S55.1 U2_S56.1 U2_S57.1 U2_S58.1 U2_S59.1 U2_S60.1 U2_S61.1 U2_S62.1 U2_S63.1 U2_S64.1 U3.11 U7.B1 U8.9 U9.19 U10.19 U11.19 U12.19 | length 1470.5
  Top Layer w0.152: 6,23.9 U7.B1@7,23.9 ; U2_S1.1@10.35,9.025 10.35,8.606 10.808,8.148 v1(11.001,8.148) 11.055,8.094 12.609,8.094 U1_S1.5@13.309,8.794 ; U2_S16.1@10.35,27.596 10.35,27.178 10.808,26.719 v1(11.001,26.719) 11.055,26.665 12.609,26.665 U1_S16.5@13.309,27.365 ; U2_S17.1@10.35,46.168 10.35,45.749 10.808,45.291 v1(11.001,45.291) 11.055,45.237 12.609,45.237 U1_S17.5@13.309,45.937 ; U2_S32.1@10.35,64.739 10.35,64.321 10.808,63.862 v1(11.001,63.862) 11.055,63.808 12.609,63.808 U1_S32.5@13.309,64.508 ; U2_S33.1@10.35,83.311 10.35,82.892 10.808,82.434 v1(11.001,82.434) 11.055,82.379 12.609,82.379 U1_S33.5@13.309,83.079 ; U2_S48.1@10.35,101.882 10.35,101.463 10.808,101.005 v1(11.001,101.005) 11.055,100.951 12.609,100.951 U1_S48.5@13.309,101.651 ; U2_S49.1@10.35,120.453 10.35,120.035 10.808,119.576 v1(11.001,119.576) 11.055,119.522 12.609,119.522 U1_S49.5@13.309,120.222 ; U2_S64.1@10.35,139.025 10.35,138.606 10.808,138.148 v1(11.001,138.148) 11.055,138.094 12.609,138.094 U1_S64.5@13.309,138.794 ; U2_S2.1@28.921,9.025 28.921,8.606 29.38,8.148 v1(29.572,8.148) 29.626,8.094 31.18,8.094 U1_S2.5@31.88,8.794 ; U2_S15.1@28.921,27.596 28.921,27.178 29.38,26.719 v1(29.572,26.719) 29.626,26.665 31.18,26.665 U1_S15.5@31.88,27.365 ; U2_S18.1@28.921,46.168 28.921,45.749 29.38,45.291 v1(29.572,45.291) 29.626,45.237 31.18,45.237 U1_S18.5@31.88,45.937 ; U2_S31.1@28.921,64.739 28.921,64.321 29.38,63.862 v1(29.572,63.862) 29.626,63.808 31.18,63.808 U1_S31.5@31.88,64.508 ; U2_S34.1@28.921,83.311 28.921,82.892 29.38,82.434 v1(29.572,82.434) 29.626,82.379 31.18,82.379 U1_S34.5@31.88,83.079 ; U2_S47.1@28.921,101.882 28.921,101.463 29.38,101.005 v1(29.572,101.005) 29.626,100.951 31.18,100.951 U1_S47.5@31.88,101.651 ; U2_S50.1@28.921,120.453 28.921,120.035 29.38,119.576 v1(29.572,119.576) 29.626,119.522 31.18,119.522 U1_S50.5@31.88,120.222 ; U2_S63.1@28.921,139.025 28.921,138.606 29.38,138.148 v1(29.572,138.148) 29.626,138.094 31.18,138.094 U1_S63.5@31.88,138.794 ; U2_S3.1@47.493,9.025 47.493,8.606 47.951,8.148 v1(48.143,8.148) 48.198,8.094 49.752,8.094 U1_S3.5@50.452,8.794 ; U2_S14.1@47.493,27.596 47.493,27.178 47.951,26.719 v1(48.143,26.719) 48.198,26.665 49.752,26.665 U1_S14.5@50.452,27.365 ; U2_S19.1@47.493,46.168 47.493,45.749 47.951,45.291 v1(48.143,45.291) 48.198,45.237 49.752,45.237 U1_S19.5@50.452,45.937 ; U2_S30.1@47.493,64.739 47.493,64.321 47.951,63.862 v1(48.143,63.862) 48.198,63.808 49.752,63.808 U1_S30.5@50.452,64.508 ; U2_S35.1@47.493,83.311 47.493,82.892 47.951,82.434 v1(48.143,82.434) 48.198,82.379 49.752,82.379 U1_S35.5@50.452,83.079 ; U2_S46.1@47.493,101.882 47.493,101.463 47.951,101.005 v1(48.143,101.005) 48.198,100.951 49.752,100.951 U1_S46.5@50.452,101.651 ; U2_S51.1@47.493,120.453 47.493,120.035 47.951,119.576 v1(48.143,119.576) 48.198,119.522 49.752,119.522 U1_S51.5@50.452,120.222 ; U2_S62.1@47.493,139.025 47.493,138.606 47.951,138.148 v1(48.143,138.148) 48.198,138.094 49.752,138.094 U1_S62.5@50.452,138.794 ; U2_S4.1@66.064,9.025 66.064,8.606 66.523,8.148 v1(66.715,8.148) 66.769,8.094 68.323,8.094 U1_S4.5@69.023,8.794 ; U2_S13.1@66.064,27.596 66.064,27.178 66.523,26.719 v1(66.715,26.719) 66.769,26.665 68.323,26.665 U1_S13.5@69.023,27.365 ; U2_S20.1@66.064,46.168 66.064,45.749 66.523,45.291 v1(66.715,45.291) 66.769,45.237 68.323,45.237 U1_S20.5@69.023,45.937 ; U2_S29.1@66.064,64.739 66.064,64.321 66.523,63.862 v1(66.715,63.862) 66.769,63.808 68.323,63.808 U1_S29.5@69.023,64.508 ; U2_S36.1@66.064,83.311 66.064,82.892 66.523,82.434 v1(66.715,82.434) 66.769,82.379 68.323,82.379 U1_S36.5@69.023,83.079 ; U2_S45.1@66.064,101.882 66.064,101.463 66.523,101.005 v1(66.715,101.005) 66.769,100.951 68.323,100.951 U1_S45.5@69.023,101.651 ; U2_S52.1@66.064,120.453 66.064,120.035 66.523,119.576 v1(66.715,119.576) 66.769,119.522 68.323,119.522 U1_S52.5@69.023,120.222 ; U2_S61.1@66.064,139.025 66.064,138.606 66.523,138.148 v1(66.715,138.148) 66.769,138.094 68.323,138.094 U1_S61.5@69.023,138.794 ; U2_S5.1@84.636,9.025 84.636,8.606 85.094,8.148 v1(85.286,8.148) 85.34,8.094 86.894,8.094 U1_S5.5@87.594,8.794 ; U2_S12.1@84.636,27.596 84.636,27.178 85.094,26.719 v1(85.286,26.719) 85.34,26.665 86.894,26.665 U1_S12.5@87.594,27.365 ; U2_S21.1@84.636,46.168 84.636,45.749 85.094,45.291 v1(85.286,45.291) 85.34,45.237 86.894,45.237 U1_S21.5@87.594,45.937 ; U2_S28.1@84.636,64.739 84.636,64.321 85.094,63.862 v1(85.286,63.862) 85.34,63.808 86.894,63.808 U1_S28.5@87.594,64.508 ; U2_S37.1@84.636,83.311 84.636,82.892 85.094,82.434 v1(85.286,82.434) 85.34,82.379 86.894,82.379 U1_S37.5@87.594,83.079 ; U2_S44.1@84.636,101.882 84.636,101.463 85.094,101.005 v1(85.286,101.005) 85.34,100.951 86.894,100.951 U1_S44.5@87.594,101.651 ; U2_S53.1@84.636,120.453 84.636,120.035 85.094,119.576 v1(85.286,119.576) 85.34,119.522 86.894,119.522 U1_S53.5@87.594,120.222 ; U2_S60.1@84.636,139.025 84.636,138.606 85.094,138.148 v1(85.286,138.148) 85.34,138.094 86.894,138.094 U1_S60.5@87.594,138.794 ; v1(84.895,80.996) 84.9,80.991 84.9,77.035 U3.11@84.921,77.014 ; U2_S6.1@103.207,9.025 103.207,8.606 103.665,8.148 v1(103.858,8.148) 103.912,8.094 105.466,8.094 U1_S6.5@106.166,8.794 ; U2_S11.1@103.207,27.596 103.207,27.178 103.665,26.719 v1(103.858,26.719) 103.912,26.665 105.466,26.665 U1_S11.5@106.166,27.365 ; U2_S22.1@103.207,46.168 103.207,45.749 103.665,45.291 v1(103.858,45.291) 103.912,45.237 105.466,45.237 U1_S22.5@106.166,45.937 ; U2_S27.1@103.207,64.739 103.207,64.321 103.665,63.862 v1(103.858,63.862) 103.912,63.808 105.466,63.808 U1_S27.5@106.166,64.508 ; U2_S38.1@103.207,83.311 103.207,82.892 103.665,82.434 v1(103.858,82.434) 103.912,82.379 105.466,82.379 U1_S38.5@106.166,83.079 ; U2_S43.1@103.207,101.882 103.207,101.463 103.665,101.005 v1(103.858,101.005) 103.912,100.951 105.466,100.951 U1_S43.5@106.166,101.651 ; U2_S54.1@103.207,120.453 103.207,120.035 103.665,119.576 v1(103.858,119.576) 103.912,119.522 105.466,119.522 U1_S54.5@106.166,120.222 ; U2_S59.1@103.207,139.025 103.207,138.606 103.665,138.148 v1(103.858,138.148) 103.912,138.094 105.466,138.094 U1_S59.5@106.166,138.794 ; U2_S7.1@121.778,9.025 121.778,8.606 122.237,8.148 v1(122.429,8.148) 122.483,8.094 124.037,8.094 U1_S7.5@124.737,8.794 ; U2_S10.1@121.778,27.596 121.778,27.178 122.237,26.719 v1(122.429,26.719) 122.483,26.665 124.037,26.665 U1_S10.5@124.737,27.365 ; U2_S23.1@121.778,46.168 121.778,45.749 122.237,45.291 v1(122.429,45.291) 122.483,45.237 124.037,45.237 U1_S23.5@124.737,45.937 ; U2_S26.1@121.778,64.739 121.778,64.321 122.237,63.862 v1(122.429,63.862) 122.483,63.808 124.037,63.808 U1_S26.5@124.737,64.508 ; U2_S39.1@121.778,83.311 121.778,82.892 122.237,82.434 v1(122.429,82.434) 122.483,82.379 124.037,82.379 U1_S39.5@124.737,83.079 ; U2_S42.1@121.778,101.882 121.778,101.463 122.237,101.005 v1(122.429,101.005) 122.483,100.951 124.037,100.951 U1_S42.5@124.737,101.651 ; U2_S55.1@121.778,120.453 121.778,120.035 122.237,119.576 v1(122.429,119.576) 122.483,119.522 124.037,119.522 U1_S55.5@124.737,120.222 ; U2_S58.1@121.778,139.025 121.778,138.606 122.237,138.148 v1(122.429,138.148) 122.483,138.094 124.037,138.094 U1_S58.5@124.737,138.794 ; U2_S8.1@140.35,9.025 140.35,8.606 140.808,8.148 v1(141,8.148) 141.055,8.094 142.609,8.094 U1_S8.5@143.309,8.794 ; U2_S9.1@140.35,27.596 140.35,27.178 140.808,26.719 v1(141,26.719) 141.055,26.665 142.609,26.665 U1_S9.5@143.309,27.365 ; U2_S24.1@140.35,46.168 140.35,45.749 140.808,45.291 v1(141,45.291) 141.055,45.237 142.609,45.237 U1_S24.5@143.309,45.937 ; U2_S25.1@140.35,64.739 140.35,64.321 140.808,63.862 v1(141,63.862) 141.055,63.808 142.609,63.808 U1_S25.5@143.309,64.508 ; U2_S40.1@140.35,83.311 140.35,82.892 140.808,82.434 v1(141,82.434) 141.055,82.379 142.609,82.379 U1_S40.5@143.309,83.079 ; U2_S41.1@140.35,101.882 140.35,101.463 140.808,101.005 v1(141,101.005) 141.055,100.951 142.609,100.951 U1_S41.5@143.309,101.651 ; U2_S56.1@140.35,120.453 140.35,120.035 140.808,119.576 v1(141,119.576) 141.055,119.522 142.609,119.522 U1_S56.5@143.309,120.222 ; U2_S57.1@140.35,139.025 140.35,138.606 140.808,138.148 v1(141,138.148) 141.055,138.094 142.609,138.094 U1_S57.5@143.309,138.794
  Top Layer w0.25: U8.9@7,20.675 7,21.875 6.8,22.075 R7.1@6.8,22.1 6.3,22.1 6,22.4 6,23.9 6,26.4 v1(7.5,27.9) 8.068,28.468 8.068,137.968 v1(8.1,138) ; v1(10.8,58.4) 11.522,57.678 U11.19@12.1,57.678 ; v1(10.989,22.339) 10.989,21.477 11.93,20.536 U9.19@12.1,20.536 ; v1(11,95.3) 11.479,94.821 U10.19@12.1,94.821 ; v1(11,132.8) 11,132.704 11.301,132.403 11.301,132.4 11.737,131.964 U12.19@12.1,131.964
  Int1 (Signal) w0.152: v1(84.895,80.996) 84.895,82.434
  Int1 (Signal) w0.25: v1(7.5,27.9) 8.681,26.719 v1(11.001,26.719) ; v1(8.039,95.284) 8.056,95.3 v1(11,95.3) ; v1(8.041,63.879) 8.049,63.871 10.992,63.871 v1(11.001,63.862) v1(29.572,63.862) v1(48.143,63.862) v1(66.715,63.862) v1(85.286,63.862) v1(103.858,63.862) v1(122.429,63.862) v1(141,63.862) ; v1(8.041,82.397) 8.059,82.415 10.982,82.415 v1(11.001,82.434) v1(29.572,82.434) v1(48.143,82.434) v1(66.715,82.434) 84.895,82.434 v1(85.286,82.434) v1(103.858,82.434) v1(122.429,82.434) v1(141,82.434) ; v1(8.049,58.401) v1(10.8,58.4) ; v1(8.062,132.79) 8.067,132.795 10.995,132.795 v1(11,132.8) ; v1(8.067,45.326) 8.085,45.309 10.983,45.309 v1(11.001,45.291) v1(29.572,45.291) v1(48.143,45.291) v1(66.715,45.291) v1(85.286,45.291) v1(103.858,45.291) v1(122.429,45.291) v1(141,45.291) ; v1(8.071,119.529) 8.095,119.553 10.977,119.553 v1(11.001,119.576) v1(29.572,119.576) v1(48.143,119.576) v1(66.715,119.576) v1(85.286,119.576) v1(103.858,119.576) v1(122.429,119.576) v1(141,119.576) ; v1(8.1,100.9) 8.153,100.953 10.948,100.953 v1(11.001,101.005) v1(29.572,101.005) v1(48.143,101.005) v1(66.715,101.005) v1(85.286,101.005) v1(103.858,101.005) v1(122.429,101.005) v1(141,101.005) ; v1(8.1,138) 8.196,138 8.344,138.148 v1(11.001,138.148) v1(29.572,138.148) v1(48.143,138.148) v1(66.715,138.148) v1(85.286,138.148) v1(103.858,138.148) v1(122.429,138.148) v1(141,138.148) ; v1(141,8.148) v1(122.429,8.148) v1(103.858,8.148) v1(85.286,8.148) v1(66.715,8.148) v1(48.143,8.148) v1(29.572,8.148) v1(11.001,8.148) 9.6,9.549 9.6,20.95 v1(10.989,22.339) 10.995,22.344 10.995,26.714 v1(11.001,26.719) ; v1(141,26.719) v1(122.429,26.719) v1(103.858,26.719) v1(85.286,26.719) v1(66.715,26.719) v1(48.143,26.719) v1(29.572,26.719) v1(11.001,26.719)